# KiCad board AMLDC-2044B p3.kicad_pcb (continued)
## Nets (continued)
R1p3: UR1.3
R1p4: UR1.4 UR1.13 US1.4 US1.13
R1p5: UR1.5 US1.5
R1p6: UR1.6
R1p7: UR1.7
R1p8: UR1.8
R1p9: UR1.9
R1p10: UR1.10
R1p11: UR1.11
R1p14: UR1.14
R1p15: UR1.15
R1p16: UR1.16
R2p1: UR2.1
R2p4: UR2.4
R2p8: UR2.8
R2p9: UR2.9
R2p11: UR2.11
R2p12: UR2.12
R2p13: UR2.13
R2p14: UR2.14
R2p15: UR2.15
R2p16: UR2.16
R3p1: UR3.1
R3p4: UR3.4
R3p9: UR3.9
R3p10: UR3.5 UR3.10 US3.5 US3.10
R3p12: UR3.12
R3p13: UR3.2 UR3.13 US3.2 US3.13
R4p1: UR4.1
R4p2: UR4.2
R4p3: UR4.3
R4p5: UR4.5
R4p6: UR4.6
R4p7: UR4.7
R4p8: UR4.8
R4p9: UR4.9
R4p10: UR4.10
R4p11: UR4.11
R4p13: UR4.4 UR4.13 US4.4 US4.13
R4p14: UR4.14
R4p15: UR4.15
R4p16: UR4.16
R5p1: UR5.1
R5p2: UR5.2
R5p3: UR5.3
R5p4: UR5.4
R5p5: UR5.5
R5p6: UR5.6
R5p7: UR5.7
R5p8: UR5.8
R5p9: UR5.9
R5p10: UR5.10
R5p11: UR5.11
R5p12: UR5.12
R5p13: UR5.13
R5p14: UR5.14
R6p1: UR6.1
R6p2: UR6.2
R6p3: UR6.3
R6p4: UR6.4
R6p5: UR6.5
R6p6: UR6.6
R6p8: UR6.8
R6p9: UR6.9
R6p10: UR6.10
R6p11: UR6.11
R6p12: UR6.12
R6p13: UR6.13
R7p1: UR7.1
R7p2: UR7.2
R7p3: UR7.3
R7p5: UR7.5
R7p8: UR7.8
R7p9: UR7.9
R7p10: UR7.10
R7p11: UR7.11
R7p12: UR7.12
R7p14: UR7.14
R60p1: R60.1 R61.1
R64p1: R63.1 R64.1
R66p1: R62.1 R66.1
R78p1: R78.1
R82p2: R82.2
S0p1: US0.1
S0p3: US0.3 UT0.3 UU0.3 UV0.3 UW0.13
S0p4: US0.4
S0p6: US0.6 UT0.6 UU0.6 UV0.6 UW0.5
S0p8: US0.8 UT0.8 UU0.8 UV0.8 UW0.9
S0p9: US0.9
S0p11: US0.11 UT0.11 UU0.11 UV0.11 UW0.11
S0p12: US0.12
S1p1: US1.1
S1p2: US1.2
S1p3: US1.3
S1p6: US1.6
S1p7: US1.7
S1p8: US1.8
S1p9: US1.9
S1p10: US1.10
S1p11: US1.11
S1p14: US1.14
S1p15: US1.15
S1p16: US1.16
S2p1: US2.1 US2.2
S2p13: US2.13
S3p1: US3.1
S3p3: US3.3 UT3.3 UU3.3 UV3.3 UW3.13
S3p4: US3.4
S3p6: US3.6 UT3.6 UU3.6 UV3.6 UW3.5
S3p8: US3.8 UT3.8 UU3.8 UV3.8 UW3.9
S3p9: US3.9
S3p11: US3.11 UT3.11 UU3.11 UV3.11 UW3.11
S3p12: US3.12
S4p1: US4.1
S4p2: US4.2
S4p3: US4.3
S4p5: US4.5
S4p6: US4.6
S4p7: US4.7
S4p8: US4.8
S4p9: US4.9
S4p10: US4.10
S4p11: US4.11
S4p14: US4.14
S4p15: US4.15
S4p16: US4.16
S6p1: US6.1
S6p2: US6.2
S6p3: US6.3
S6p5: US6.5
S6p6: US6.6
S6p8: US6.8
S6p9: US6.9
S6p10: US6.10
S6p11: US6.11
S6p12: US6.12
S6p13: US6.13
S7p1: US7.1
S7p2: US7.2
S7p3: US7.3
S7p8: US7.8
S7p9: US7.9
S7p10: US7.10
S7p11: US7.11
S7p12: US7.12
S7p14: US7.14
SEL EN: J1.76
SPARE: J1.79 R56.1
STRT: J1.52
T0p1: UT0.1
T0p4: UT0.4
T0p9: UT0.9
T0p10: UT0.5 UT0.10
T0p12: UT0.12
T0p13: UT0.2 UT0.13
T1p3: UT1.3
T1p4: UT1.4
T1p5: UT1.5
T1p6: UT1.6
T1p8: UT1.8
T1p9: UT1.9
T1p10: UT1.10
T1p11: UT1.11
T2p1: UT2.1 UU2.3
T2p2: UT2.2 UU2.11
T2p4: UT2.4 UU2.6
T2p5: UT2.5 UU2.8
T2p6: UT2.6
T2p8: UT2.8
T2p9: UT2.9
T2p10: UT2.10
T2p12: UT2.12
T2p13: UT2.13
T3p1: UT3.1
T3p4: UT3.4
T3p9: UT3.9
T3p10: UT3.5 UT3.10
T3p12: UT3.12
T6p1: UT6.1
T6p2: UT6.2
T6p3: UT6.3
T6p4: UT6.4
T6p5: UT6.5
T6p6: UT6.6
T6p8: UT6.8
T6p9: UT6.9
T6p10: UT6.10
T6p11: UT6.11
T6p12: UT6.12
T6p13: UT6.13
T7p1: UT7.1
T7p2: UT7.2
T7p3: UT7.3
T7p5: UT7.5
T7p8: UT7.8
T7p9: UT7.9
T7p10: UT7.10
T7p11: UT7.11
T7p12: UT7.12
T7p14: UT7.14
TRK0: J1.84
TRK1: J1.86
TRK2: J1.87
TRK3: J1.83
TRK4: J1.89
TRK5: J1.91
TRK6: J1.73
U0p1: UU0.1
U0p2: UU0.2 UU0.13
U0p4: UU0.4
U0p9: UU0.9
U0p10: UU0.5 UU0.10
U1p1: UU1.1
U1p3: UU1.3 UV1.3 UW1.2
U1p4: UU1.4 UV1.4 UW1.7
U1p5: UU1.5
U1p6: UU1.6
U1p8: UU1.8
U1p9: UU1.9
U1p10: UU1.10 UV1.10 UW1.6
U1p11: UU1.11 UV1.11 UW1.3
U1p12: UU1.12
U1p13: UU1.13
U2p1: UU2.1
U2p2: UU2.2 UV2.12
U2p4: UU2.4
U2p5: UU2.5 UV2.10
U2p9: UU2.9 UV2.8
U2p10: UU2.10
U2p12: UU2.12
U2p13: UU2.13 UV2.2
U3p1: UU3.1
U3p4: UU3.4
U3p9: UU3.9
U3p10: UU3.5 UU3.10
U3p12: UU3.12
U3p13: UU3.2 UU3.13
U4p1: UU4.1
U4p2: UU4.2
U4p3: UU4.3 UV4.3 UW4.2
U4p4: UU4.4 UV4.4 UW4.7
U4p5: UU4.5
U4p6: UU4.6
U4p8: UU4.8
U4p9: UU4.9
U4p10: UU4.10 UV4.10 UW4.6
U4p11: UU4.11 UV4.11 UW4.3
U4p12: UU4.12
U4p13: UU4.13 UV4.13
W0p1: UW0.1
W0p2: UW0.2
W0p3: UW0.3
W0p4: UW0.4
W0p6: UW0.6
W0p8: UW0.8
W0p10: UW0.10
W0p12: UW0.12
W1p1: UW1.1
W1p8: UW1.8
W1p9: UW1.9
W1p10: UW1.10
W1p11: UW1.11
W1p13: UW1.4 UW1.13
W1p14: UW1.14
W1p15: UW1.15
W1p16: UW1.16
W2p1: UW2.1
W2p4: UW2.4
W2p6: UW2.6
W2p7: UW2.7
W2p8: UW2.8
W2p9: UW2.3 UW2.9
W2p10: UW2.2 UW2.10
W2p11: UW2.11
W2p13: UW2.13
W2p14: UW2.14
W2p15: UW2.15
W2p16: UW2.16
W3p1: UW3.1
W3p2: UW3.2
W3p3: UW3.3
W3p4: UW3.4
W3p6: UW3.6
W3p8: UW3.8
W3p12: UW3.12
W4p1: UW4.1
W4p8: UW4.8
W4p9: UW4.9
W4p10: UW4.10
W4p11: UW4.11
W4p13: UW4.4 UW4.13
W4p14: UW4.14
W4p15: UW4.15
W4p16: UW4.16
W5p1: UW5.1
W5p2: UW5.2
W5p3: UW5.3
W5p4: UW5.4
W5p5: UW5.5
W5p6: UW5.6
W5p7: UW5.7
W5p8: UW5.8
W5p9: UW5.9
W5p10: UW5.10
W5p11: UW5.11
W5p12: UW5.12
W5p13: UW5.13
W5p14: UW5.14
W5p15: UW5.15
W5p16: UW5.16
W6p1: UW6.1
W6p2: UW6.2
W6p3: UW6.3
W6p4: UW6.4
W6p5: UW6.5
W6p6: UW6.6
W6p8: UW6.8
W6p9: UW6.9
W6p10: UW6.10
W6p11: UW6.11
W6p12: UW6.12
W6p13: UW6.13
WALLOUT: J1.65
WRT: J1.88
~{DATA0}: J2.62
~{DATA1}: J2.65
~{DATA2}: J2.82
~{DATA3}: J2.73
~{DATA4}: J2.61
~{DATA5}: J2.57
~{DATA6}: J2.95
~{DATA7}: J2.55
~{DATA8}: J2.60
~{DATA9}: J2.63
~{DATA10}: J2.75
~{DATA11}: J2.58
~{DATA12}: J2.59
~{DATA13}: J2.64
~{DATA14}: J2.56
~{DATA15}: J2.66
~{DCHA}: J1.60
~{DCHM0}: J2.17
~{DCHM1}: J2.21
~{DCHP IN}: J1.94
~{DCHP OUT}: J1.93
~{DCHR}: J2.35
~{DS0}: J1.72
~{DS1}: J1.68
~{DS2}: J1.66
~{DS3}: J1.46
~{DS4}: J1.62
~{DS5}: J1.64
~{INTP IN}: J1.96
~{INTP OUT}: J1.95
~{INTR}: J2.29
~{MSKO}: J1.38
~{RQENB}: J2.41
~{SELB}: J1.82
~{SELD}: J1.80
/Net-(UG4A-Q): UG4.13

Pads without a net: C1 1 2; C2 1 2; C3 1 2; C4 1 2; C5 1 2; C6 1 2; C7 1 2; C8 2; C9 1 2; C10 1 2; C14 1; C17 1 2; C19 1 2; C20 1 2; C21 1 2; C22 1 2; C23 1 2; C24 1 2; C28 1; C29 1; C32 1; C33 1; C34 1; C35 1; C36 1 2; C37 1 2; C38 1 2; C40 1 2; C44 2; C46 2; C47 1 2; C48 1 2; C49 1 2; C50 1 2; C51 1 2; C52 1 2; C53 1 2; C54 1 2; C57 2; C62 1; C63 1 2; C69 2; C70 2; C71 1; CR2 1 2; CR4 1 2; CR5 1 2; J1 5 7 8 9 11 12 13 14 15 16 17 18 19 20 21 22 23 24 25 26 27 28 29 30 31 32 35 36 37 39 41 43 45 47 49 51 53 55 78 92; J2 5 7 8 9 10 12 14 16 18 20 22 24 26 28 30 31 32 34 40 42 43 44 45 46 47 48 52 54 68 70 71 72 74 76 77 78 79 80 83 85 86 87 88 89 90 91 92 93 94 96; JP1 1; JP4 1; JP5 1; JP7 1 2; JP8 1 2; R1 2; R2 2; R3 1 2; R4 1 2; R5 1 2; R6 1 2; R7 1; R8 1 2; R9 1; R10 1; R11 1 2; R12 1; R14 1 2; R15 2; R18 1; R20 2; R21 1; R22 1 2; R23 2; R24 1 2; R25 1; R26 1 2; R27 1; R28 1 2; R30 1; R31 1 2; R32 1; R33 2; R34 2; R37 1; R38 1; R39 1 2; R40 1 2; R41 1 2; R42 1 2; R43 1 2; R44 1 2; R45 1 2; R46 1 2; R47 2; R48 1 2; R50 2; R54 2; R55 1; R57 1 2; R58 1 2; R59 1 2; R61 2; R62 2; R63 2; R65 1; R67 2; R68 2; R69 1 2; R72 1; R73 2; R74 1 2; R75 1 2; R76 1 2; R78 2; R79 1 2; R80 1 2; R81 1 2; R83 1 2; R84 1 2; R85 1; R86 1 2; R87 1; R88 1; R89 1 2; R90 1 2; R92 1; R94 1; UB5 7 14; UB6 7 9 10 14; UB7 7 14; UB8 4 6 7 13; UC0 14; UC5 7 14; UC6 7 14; UC7 7 14; UC8 7 14; UD5 8 16; UD6 7 14; UD7 7 14; UD8 7 13 14; UE3 4; UE5 5 7 14; UE6 7 14; UE7 3 11; UE8 7 14; UF0 14; UF5 7 14; UF6 7 14; UF7 7 14; UF8 3 7 11 14; UG0 9 10 13; UG4 1 3 11; UG5 7 13 14; UG6 7 14; UG7 7 14; UG8 7 11 12 13 14; UH5 7 14; UH6 7 14; UH7 7 14; UJ0 11 12; UJ6 7 14; UJ7 8 16; UK5 7 14; UK6 8 16; UK7 7 14; UK8 7 14; UL2 6; UL5 8 16; UL6 7 14; UL7 7 14; UM5 7 14; UM6 7 14; UM7 7 14; UM8 5 7 13; UN3 3; UN6 7 14; UN7 3 7 11 14; UP0 9; UP2 7; UP4 1 3 4 7 9 12 13; UP5 3 7 11 14; UP6 7 14; UP7 4 6 7 13; UR6 7 14; UR7 4 6 7 13; US2 3 4 5 6 8 9 10 11 12; US6 4 7 14; US7 4 5 6 7 13; UT2 3 11; UT6 7 14; UT7 4 6 7 13; UU0 12; UU1 2; UV2 11; UV4 8; UV6 2 7 14; UV7 7 14; UW3 10; UW6 7 14; Y1 1 2 3

## Via types
v1: diameter 0.6, hole 0.3, Top to Bottom, 734 vias
v2: diameter 0.8, hole 0.4, Top to Bottom, 22 vias
v3: diameter 0.8, hole 0.3, Top to Bottom, 1 via

## Routing (per net, layer and track width the routed paths; a pad name or vN(x,y) marks a point on that pad's centre or on a via; arc(x,y) is an arc through that point)
+5V: length 4303.4
  Top w0.15: J2.3 81.19,152.01 v2(81.38,151.99) 81.67,152 82.27,152.42 83.4,152.95 83.92,153.47 v1(83.72,183) 83.92,183
  Top w0.25: 379.78,247.16 v1(379.75,247.05) 378.13,247.16 377.77,246.8 377.68,246.89 ; 226.35,47.73 226.35,42.69 ; 226.35,47.73 R66.2 ; 226.35,47.73 226.5,47.57 226.5,49.94 226.76,50.2 ; 226.35,42.69 226.22,42.56 R65.2 ; 226.35,42.69 226.37,42.66 C32.2 ; 342.93,103.51 340.88,103.51 340.13,104.26 ; 226.59,25.54 226.59,14.86 ; 226.59,25.54 226.82,25.78 UV3.14 ; 226.59,25.54 226.37,25.76 C32.2 ; 226.59,14.86 226.69,14.75 R82.1 ; 226.59,14.86 226.59,7.81 ; 426.92,344.81 425.71,343.25 424.96,342.32 424.48,341.87 422.78,341.37 415.32,341.37 414.74,341.95 ; 414.09,281.29 414,281.38 414.11,281.49 414.11,300.6 ; 414.09,281.29 414.09,264.57 ; 414.09,281.29 416.33,281.29 ; 340.93,319.77 341.04,319.89 343.28,319.89 ; 340.93,319.77 340.68,320.02 340.68,324.69 340.68,331.21 341.09,331.61 ; 340.93,319.77 340.93,301.15 ; 341.3,187.84 341.44,187.69 v1(342.19,187.73) 342.23,187.69 342.31,187.77 ; 341.3,187.84 341.2,187.75 341.2,180.75 ; 341.3,187.84 341.3,214.47 ; 226.94,-11.94 200.41,-11.94 198.79,-10.32 ; 226.94,-11.94 226.59,-11.59 226.59,7.81 ; 226.94,-11.94 227.78,-11.11 261.58,-11.11 ; UH3.14 227.09,250.11 226.82,250.39 ; 413.94,187.66 413.91,187.64 ; 413.94,187.66 414.43,187.16 414.43,169.64 413.37,168.57 413.37,153.86 ; 413.94,187.66 413.94,189.9 v1(413.87,189.96) 413.94,190.03 413.94,199.89 ; 296.34,336.19 298.78,336.19 ; 296.34,336.19 296.08,336.45 296.08,352.81 ; 296.34,336.19 296.65,335.88 296.65,319.86 296.75,319.96 ; 226.76,53.01 226.76,50.2 ; 226.76,53.01 R60.2 ; 226.76,53.01 226.81,52.96 226.81,69.43 ; 226.76,50.2 226.76,49.84 227,50.08 UU3.14 ; 144.4,40.63 144.4,46.11 143.6,46.91 143.6,50.02 ; 144.4,40.63 145.89,39.14 C34.2 ; 144.4,40.63 144.4,35.83 145.62,34.61 145.62,26.26 ; 414.74,341.95 414.74,335.82 414.81,335.89 ; 414.74,341.95 414.74,361.33 414.13,361.94 378.05,361.94 ; 146.42,136.57 146.42,122.61 146.49,122.54 ; 146.42,136.57 146.42,164.8 146.49,164.87 ; 146.42,136.57 156.52,136.57 157.38,138.42 UN1.5 ; 296.39,164.99 296.39,181.17 296.14,181.42 ; 296.39,164.99 296.39,147.95 ; 296.39,164.99 296.54,164.84 298.53,164.84 ; UW3.14 227.39,8 226.9,7.5 226.59,7.81 ; 259.2,293.69 259.2,282.37 258.91,282.09 258.98,282.02 ; 259.2,293.69 259.2,292.84 259.21,292.83 v1(257.8,292.83) 257.8,292.86 ; 259.2,293.69 259.2,301.11 ; 296.39,147.95 296.58,148.14 298.78,148.14 ; 296.39,147.95 296.39,122.96 ; 296.39,104.94 296.39,70.92 296.37,70.9 ; 296.39,104.94 298.43,104.94 ; 296.39,104.94 296.39,122.96 ; UB3.14 227.25,353.84 227.23,353.82 ; 112.29,164.82 112.14,167.41 110.98,169.8 107.59,174.52 107.59,182.15 ; 112.29,164.82 UM0.14 ; 112.29,164.82 111.72,164.25 110.86,160.38 108.95,156.06 108.32,151.56 108.29,149.02 108,148.25 ; 106.36,359.47 108.18,361.29 140.08,361.29 ; 106.36,359.47 105.4,358.51 R37.2 ; 106.36,359.47 105.38,358.49 ; 378.17,300.74 380.08,300.74 ; 378.17,300.74 378.17,285.67 ; 378.17,300.74 378.24,300.82 378.24,319.79 ; 341.09,331.61 338.72,331.61 338.6,331.49 v1(338.6,331.33) 338.44,331.33 338.52,331.41 ; 341.09,331.61 341.24,331.77 341.24,336.03 ; 185.96,329.44 185.07,328.37 R50.1 ; 341.2,122.6 341.36,122.44 341.48,122.56 342.88,122.56 ; 341.2,122.6 341.2,147.77 ; 341.2,122.6 340.1,122.6 340.02,122.68 340.02,109.03 340.13,108.92 ; UP0.14 108.19,122.95 107.88,122.64 107.88,122.96 ; 378.18,352.64 v1(378.18,357.95) 378.18,360.67 378.75,361.24 378.05,361.94 ; 378.18,352.64 378.18,336.33 ; 378.18,352.64 378.3,352.51 378.33,352.54 380.48,352.54 ; 377.09,147.82 377.09,163.47 376.14,164.41 ; 377.09,147.82 377.27,147.64 377.27,109.33 v1(377.22,109.28) 377.27,109.23 v1(377.27,92.77) 377.27,88.53 377.22,87.52 377.31,85.84 v1(377.13,74.66) 377.04,71.24 ; 377.09,147.82 377.2,147.94 379.33,147.94 ; UL2.14 187.16,181.42 186.62,181.96 ; 376.14,164.41 379.33,164.41 ; 376.14,164.41 376.67,164.94 376.67,181.07 ; UD1.14 146.08,322.81 145.85,322.58 ; 143.97,314.07 v1(144.02,314.02) 144.07,313.97 145.85,313.97 ; 413.37,153.86 413.96,153.27 422.18,153.27 422.42,153.51 424.67,155.27 426.01,156.94 ; 413.37,153.86 412.95,153.45 412.95,137.59 410.82,135.47 410.49,134.73 409.92,133.68 409.92,122.55 409.9,121.58 409.92,121.03 410.63,120.16 411.33,119.5 412.91,118.39 412.91,114.97 412.83,114.89 412.83,70.81 412.82,70.8 ; 259.04,342.14 259.04,336.87 ; 259.04,342.14 v1(259.06,342.16) 259.04,353.9 ; 259.04,342.14 258.47,341.57 257.8,341.57 256.37,342.99 ; 259.04,336.87 261.28,336.87 UC4.14 ; 259.04,336.87 259.04,334.33 ; UL1.14 146.53,181.33 146.49,181.29 ; 186.31,355.96 186.17,356.1 186.17,362 185.9,362.27 ; 186.31,355.96 186.38,356.03 UB2.14 ; 186.31,355.96 186.31,338.06 ; 226.05,89.04 226.78,88.31 US3.14 ; 226.05,89.04 226.05,87.18 226.81,86.42 226.81,69.43 ; 226.05,89.04 226.05,104.57 ; 185.87,321.59 UD2.14 ; 185.87,321.59 185.83,321.54 185.8,321.57 R12.2 185.96,324.85 R13.1 185.96,337.71 186.31,338.06 ; 185.87,321.59 185.87,303.73 186,303.61 ; 296.05,362.05 296.05,358.52 v1(296.08,358.49) 296.05,358.46 296.05,354.35 296.08,352.81 ; 296.05,362.05 340.87,362.05 ; 296.05,362.05 283.86,362.05 ; 110.29,193.83 111.61,193.75 118.23,193.4 118.52,193.69 C65.1 ; 110.29,193.83 110.29,195.82 110.69,196.93 111.76,198.52 112.68,200.19 112.96,212.11 ; 110.29,193.83 107.24,184.47 107.59,182.15 ; 341.24,336.03 341.36,336.14 343.33,336.14 ; 341.24,336.03 341.13,336.15 341.13,353.31 ; 145.94,250.46 145.94,230.93 ; 145.94,250.46 146.13,250.27 UH1.14 ; 145.94,250.46 145.85,250.54 145.85,255.69 ; 145.94,230.93 146.06,230.8 146.06,214.42 146.3,214.66 ; 145.94,230.93 145.99,230.88 146.13,231.01 UJ1.14 ; 259.36,60.26 259.36,50.2 259.19,50.02 259.24,49.98 ; 259.36,60.26 259.36,73.76 258.68,74.44 ; 259.36,60.26 259.5,60.13 259.79,60.42 C18.2 ; 102.36,-4.53 102.36,-9.88 101.63,-10.6 102.41,-11.38 145.48,-11.38 ; 102.36,-4.53 107.17,-4.53 ; 102.36,-4.53 101.88,-4.53 97.12,0.23 91.27,0.9 v1(91.02,1.11) 88.84,1.96 85.84,2.1 84.78,2.49 82.25,2.52 80.8,2.56 J2.97 ; 340.93,301.15 341.29,300.79 343.28,300.79 ; 340.93,301.15 340.93,295.51 341.17,295.28 341.17,281.63 ; 259.04,265.75 258.98,265.81 258.98,282.02 ; 259.04,265.75 261.33,265.75 UG4.16 ; 259.04,265.75 259.04,254.45 ; 145.85,284.92 145.85,268.39 ; 145.85,284.92 145.85,303.63 ; 145.85,284.92 146.38,284.39 146.55,284.56 UF1.14 ; 145.85,268.39 145.85,255.69 ; 145.85,268.39 146.25,268 UG1.14 ; 140.08,361.29 140.11,361.26 145.5,361.26 ; 140.08,361.29 140.93,360.44 140.93,338.59 143.38,335.94 144.48,335.79 145.98,336.24 145.98,336.49 ; 107.17,-4.53 107.17,7.11 108.19,8.13 ; 107.17,-4.53 107.17,-6.82 v1(105.91,-7.91) 106.03,-7.96 ; 383.83,285.44 378.51,285.44 378.45,285.38 378.17,285.67 ; 107.28,268.54 107.67,268.15 107.67,266.24 ; 107.28,268.54 R93.1 R93.2 ; 107.28,268.54 107.77,268.05 UG0.14 ; 107.67,250.65 108.36,249.95 UH0.14 ; 107.67,250.65 107.4,250.47 R54.1 ; 107.67,250.65 107.74,237.74 ; 107.67,250.65 107.67,266.24 ; 295.92,265.52 296.33,265.11 298.83,265.11 ; 295.92,265.52 295.92,279.26 296.75,280.09 296.75,281.81 ; 295.92,265.52 296.15,265.29 296.15,255.39 296.15,247.76 ; 414.81,335.89 414.94,335.76 414.94,319.82 ; 414.81,335.89 416.68,335.89 ; 259.04,321.63 259.04,300.95 259.2,301.11 ; 259.04,321.63 259.04,334.33 ; 259.04,321.63 259.04,320.34 259.18,320.21 UD4.14 ; 145.85,255.69 146.03,255.51 v1(148,255.59) 148.06,255.51 148.17,255.61 ; 296.75,319.96 296.75,310.18 ; 296.75,319.96 298.66,319.96 ; 296.75,310.18 294.76,310.22 293.73,309.29 ; 296.75,310.18 296.75,300.95 ; 378.17,285.67 377.68,285.18 377.68,264.36 ; 341.17,265.17 341.32,265.02 341.42,265.11 343.19,265.11 ; 341.17,265.17 341.17,247.62 341.13,247.58 341.3,247.41 ; 341.17,265.17 341.17,281.63 ; UM1.14 146.64,165.02 146.49,164.87 ; 296.75,281.81 296.92,281.64 297.07,281.79 298.83,281.79 ; 296.75,281.81 296.75,300.95 ; 226.25,196.92 226.25,219.76 v1(226.41,219.91) 226.25,220.07 226.25,231.02 226.23,231.04 ; 226.25,196.92 229.93,196.89 230.28,197.24 C68.2 ; 226.25,196.92 226.25,181.79 ; 259.04,247.97 259.04,237.81 ; 259.04,247.97 259.04,254.45 ; 259.04,247.97 259.04,247.73 259.24,247.53 259.32,247.61 UH4.16 ; 259.04,237.81 259.04,202.25 ; 259.04,237.81 259.04,236.86 258.72,236.54 R47.1 ; 186,292.88 186,292.67 186.35,292.33 191.04,292.33 190.93,292.43 v1(191.21,292.43) 191.21,292.16 ; 186,292.88 186,290.81 v1(186.1,290.71) 186,290.61 186,284.6 186.04,284.57 186.16,284.7 ; 186,292.88 186,303.61 ; UC2.16 186.38,338 186.31,338.06 ; 259.04,353.9 259.71,353.24 UB4.16 ; 259.04,353.9 259.04,362.27 ; 340.87,362.05 341.13,361.79 341.13,358.12 ; 340.87,362.05 363.07,362.05 363.18,361.94 ; 226.23,231.04 226.12,230.93 226.12,249.69 226.82,250.39 ; 226.23,231.04 UJ3.14 ; 186.16,284.7 UF2.14 ; 186.16,284.7 186.28,284.59 186.28,268.05 186.42,268.19 ; v2(118.98,329.44) 118.43,328.89 108.18,328.89 108.18,329.04 ; 377.95,230.28 378.38,230.71 379.78,230.71 ; 377.95,230.28 377.95,214.78 ; 377.95,230.28 377.95,246.61 377.68,246.89 ; 414.09,264.57 414.2,264.46 414.48,264.74 416.23,264.74 ; 414.09,264.57 413.94,264.42 413.94,214.95 ; 107.88,323.04 108.13,322.8 UD0.14 ; 107.88,323.04 107.88,328.74 108.18,329.04 ; 107.88,323.04 107.88,305.34 ; 198.79,-10.32 198.73,-6.03 198.65,-0.66 UW2.5 ; 198.79,-10.32 198.79,-10.74 186.03,-10.74 ; 258.68,123.51 C55.1 259.04,132.7 259.04,166.69 ; 258.68,123.51 258.68,123.24 258.68,123.24 259.13,122.8 UP4.16 ; 258.68,123.51 258.68,93.96 ; 226.81,69.43 227.07,69.17 UT3.14 ; 102.98,358.34 104.61,358.34 R37.2 ; 102.98,358.34 R18.2 100.13,356.51 99.95,356.33 ; 102.98,358.34 105.23,358.34 105.38,358.49 ; 261.72,-8.29 261.79,-8.22 v1(261.79,-8.29) 261.72,-8.29 ; 261.72,-8.29 261.66,-8.36 261.58,-8.36 ; UM2.16 186.88,164.77 186.59,165.06 ; 298.73,122.89 296.38,122.89 296.35,122.92 296.39,122.96 ; 296.14,181.42 296.14,198.91 296.22,198.99 ; 296.14,181.42 296.26,181.54 298.6,181.54 ; 296.22,198.99 296.37,198.85 296.43,198.91 298.48,198.91 ; 296.22,198.99 296.22,234.62 ; 143.6,50.02 144.03,50.45 UU1.14 ; 143.6,50.02 143.28,50.34 143.28,69.46 ; 414.94,305.95 414.11,305.11 414.11,304.46 v1(414.13,304.43) 414.11,304.41 414.11,300.6 ; 414.94,305.95 415.1,305.79 421.58,305.79 ; 414.94,305.95 414.94,319.82 ; 146.3,214.66 UK1.14 ; 146.3,214.66 146.3,193.91 ; J1.97 81.21,191.91 v2(81.23,191.89) ; J1.3 87.78,341.69 99.95,356.33 ; US0.14 108.13,88.41 107.99,88.55 108.07,88.63 ; 342.93,148.09 341.68,148.09 341.28,147.69 341.2,147.77 ; 258.98,282.02 UF4.14 ; 186.42,214.66 186.62,214.45 186.62,193.38 ; 186.42,214.66 186.72,214.35 186.77,214.39 UK2.14 ; 186.42,214.66 186.42,230.83 ; 340.13,104.26 340.13,88.6 340.57,88.16 340.71,88.29 342.88,88.29 ; 340.13,104.26 340.13,108.92 ; 377.95,202.67 376.67,201.39 376.67,189.69 ; 377.95,202.67 377.95,214.78 ; 377.95,202.67 379.33,201.29 ; 226.74,303.66 226.74,287.49 226.55,287.3 226.62,287.24 ; 226.74,303.66 UE3.14 ; 226.74,303.66 226.72,303.64 226.55,303.81 226.55,323.39 ; 226.62,287.24 C26.1 ; 226.62,287.24 226.62,284.7 ; 226.55,339.22 226.34,339.44 R27.2 ; 226.55,339.22 226.45,339.32 226.45,353.8 ; 226.55,339.22 226.55,323.39 ; 226.55,339.22 226.74,339.41 UC3.14 ; 145.98,336.49 145.98,339.24 ; 145.98,336.49 145.98,332.09 ; 186.22,50.07 186.03,49.88 186.03,36.15 ; 186.22,50.07 186.35,50.2 UU2.14 ; 186.22,50.07 186.22,69.8 ; 107.59,182.15 108.32,181.42 UL0.14 ; 186.62,193.38 191.88,193.48 192.08,193.68 C67.1 ; 186.62,193.38 186.62,181.96 ; 186.42,268.19 186.42,250.15 ; 186.42,268.19 UG2.14 ; 186.42,250.15 186.42,230.83 ; 186.42,250.15 186.55,250.01 186.7,250.15 UH2.14 ; UV1.14 145.71,26.36 145.62,26.26 ; 259.04,254.45 258.81,254.22 258.61,254.42 R68.1 ; 341.3,247.41 343.18,247.41 ; 341.3,247.41 341.3,230.72 ; 226.55,323.39 227.24,322.71 UD3.16 ; 258.68,74.44 258.99,74.13 268.94,74.13 270.66,77.44 271.44,80.74 ; 258.68,74.44 258.68,93.96 ; 261.58,-11.11 261.58,-8.36 ; 261.58,-11.11 271.64,-11.11 272,-10.76 271.87,-10.63 271.87,0.12 ; 145.85,322.58 145.85,313.97 ; 145.85,322.58 145.85,331.96 145.98,332.09 ; 145.85,313.97 145.85,303.63 ; 107.88,122.96 107.88,148.13 108,148.25 ; 107.88,122.96 107.88,105.38 ; UV2.14 186.48,26.36 186.03,26.8 ; UL3.14 226.61,181.43 226.25,181.79 ; C70.1 226.31,130.84 226.02,131.13 ; 185.9,362.27 217.61,362.27 ; 185.9,362.27 146.5,362.27 145.5,361.26 ; 217.61,362.27 220.53,362.27 ; 217.61,362.27 217.83,362.05 R30.2 ; R64.2 223.57,37.77 C32.2 ; 414.94,319.82 415.17,319.59 416.63,319.59 ; 259.24,49.98 UU4.14 ; 259.24,49.98 259.24,25.9 ; 377.95,214.78 378.87,213.86 379.68,213.86 ; 146.49,164.87 146.49,181.29 ; 259.24,25.9 259.5,25.64 259.57,25.72 UV4.14 ; 259.24,25.9 259.36,25.78 v1(259.36,13.52) 259.36,-8.36 261.58,-8.36 ; 341.2,180.75 341.2,164.46 ; 341.2,180.75 341.55,181.09 342.98,181.09 ; 379.98,264.86 378.18,264.86 377.68,264.36 ; 146.49,122.54 146.81,122.86 UP1.14 ; 146.49,122.54 145.96,119.81 145.85,118.61 145.31,112.22 144.24,110.58 143.46,107.44 142.85,105.9 142.53,105.3 142.31,104.55 142.2,95.57 142.21,93.03 ; 146.49,181.29 146.3,181.49 146.3,193.91 ; 296.22,234.62 296.22,247.68 296.15,247.76 ; 296.22,234.62 297.08,234.62 v1(297.2,234.74) 297.26,234.8 ; 108.07,92.58 108.07,88.63 ; 108.07,92.58 107.88,92.77 107.88,105.38 ; 108.07,92.58 108.1,92.61 110.52,92.61 v1(110.6,92.68) 110.67,92.61 110.8,92.61 ; 108.07,88.63 108.07,82.47 ; 186.48,94.29 186.48,88.64 ; 186.48,94.29 197.21,94.29 198.18,96.15 UR2.5 ; 186.48,94.29 186.3,94.47 R85.2 186.3,130.86 v1(186.12,131.04) 186.3,131.22 186.3,164.78 186.59,165.06 ; 186.48,88.64 186.69,88.43 186.82,88.56 US2.14 ; 186.48,88.64 186.48,73.88 186.53,73.83 186.22,73.53 186.22,69.8 ; 259.04,189.55 259.04,188.65 259.07,188.61 259.41,188.95 UL4.14 ; 259.04,189.55 259.04,202.25 ; 259.04,189.55 259.04,166.69 ; R37.2 108.18,355.11 108.18,329.04 ; 259.04,202.25 v1(260.38,202.37) 260.44,202.25 260.45,202.24 ; 341.2,147.77 341.2,164.46 ; C39.2 263.11,93.72 263.03,93.64 ; 107.88,305.34 108.66,304.57 108.98,304.57 UE0.14 ; 107.88,305.34 107.28,304.74 R93.2 ; 107.88,305.34 112.34,305.34 113.6,304.07 113.6,303.23 115.09,301.74 ; UW0.14 108.64,8.58 108.19,8.13 ; 378.05,361.94 369.26,361.94 ; 341.2,164.46 341.29,164.54 342.98,164.54 ; UV0.14 108.33,26.42 107.91,26 ; 377.68,264.36 377.68,246.89 ; 186.03,36.15 186.5,36.61 C33.2 ; 186.03,36.15 186.03,26.8 ; 107.91,50.65 107.93,50.63 UU0.14 ; 107.91,50.65 107.91,69.44 108.07,69.6 ; 107.91,50.65 107.91,38.24 ; 341.13,358.12 341.27,358.27 342.16,358.27 ; 341.13,358.12 341.13,356.58 ; 259.04,334.33 259.04,333.18 258.85,332.99 258.15,333.7 R88.2 255.31,331.48 254.09,329.06 ; 341.13,356.58 340.13,355.59 334.48,355.59 ; 341.13,356.58 341.13,353.31 ; 143.28,69.46 143.24,69.42 143.24,73.16 142.21,74.19 142.21,93.03 ; 143.28,69.46 UT1.14 ; UM4.14 259.46,164.86 259.3,164.71 259.04,164.97 259.04,166.69 ; 222.78,362.27 226.02,362.27 ; 222.78,362.27 222.96,362.09 222.96,356.67 v1(223.04,356.6) 222.96,356.52 222.96,356.4 223.03,356.33 ; 222.78,362.27 220.53,362.27 ; 226.02,362.27 259.04,362.27 ; 226.02,362.27 226.49,362.27 226.56,362.2 226.56,357.41 226.62,357.46 v1(226.62,357.33) 226.49,357.33 226.38,357.23 226.45,357.15 226.45,353.8 ; 105.38,358.49 104.88,358.49 104.63,358.24 ; 145.5,361.26 145.5,355.52 145.91,355.93 UB1.14 ; 107.67,266.24 103.38,266.24 R73.1 ; 340.13,108.92 341.68,108.92 ; 226.17,122.96 UP3.14 ; 226.17,122.96 226.02,122.82 226.02,131.13 ; 226.17,122.96 226.05,122.85 226.05,104.57 ; 283.86,362.05 284.19,358.96 R87.2 ; 283.86,362.05 259.04,362.27 ; 220.53,362.27 R29.2 ; 226.78,284.7 226.79,284.69 UF3.16 ; 226.78,284.7 226.62,284.7 ; 226.78,284.7 229.09,284.7 ; 363.66,359.52 363.66,361.46 363.18,361.94 ; 369.26,361.94 370.03,361.17 370.03,356.92 ; 369.26,361.94 363.18,361.94 ; 259.2,301.11 UE4.14 ; 414.11,300.6 414.29,300.42 414.4,300.54 416.78,300.54 ; 107.74,231.17 107.67,231.1 107.67,231.11 107.67,237.44 ; 107.74,231.17 107.74,220.58 112.96,215.37 112.96,212.11 ; 107.74,231.17 UJ0.14 ; 112.96,212.11 113.15,211.91 UK0.14 ; R93.2 R32.2 ; 296.75,300.95 298.63,301.04 ; 258.68,93.96 259.01,93.64 263.03,93.64 ; 226.82,250.39 226.82,268 ; 378.18,336.33 378.37,336.14 380.38,336.14 ; 378.18,336.33 378.09,336.24 378.09,319.64 378.24,319.79 ; 413.94,199.89 413.94,202.72 v1(413.96,202.74) 413.94,202.76 413.94,214.95 ; 413.94,199.89 413.83,199.78 ; 378.23,190.24 v1(378.23,190.19) 378.18,190.19 377.68,189.69 376.67,189.69 ; 108.81,237.7 v1(109.18,237.81) 107.74,237.74 ; 376.67,189.69 376.67,181.07 ; 108.19,8.13 108.19,25.72 107.91,26 ; 186.03,26.8 186.03,-10.74 ; 186.03,-10.74 185.8,-10.98 158.18,-10.98 157.9,-10.7 ; 227.23,353.82 228.73,353.85 ; 227.23,353.82 226.45,353.8 ; 107.67,237.44 107.74,237.74 ; 107.67,237.44 107.59,237.37 R55.2 ; 186.22,69.8 186.66,69.36 UT2.14 ; 146.3,193.91 146.99,193.22 151.33,193.29 151.53,193.49 C66.2 ; 296.15,247.76 296.42,247.49 298.78,247.49 ; 186.59,165.06 186.62,165.1 186.62,181.96 ; 145.62,26.26 145.62,-11.24 145.48,-11.38 ; 226.02,131.13 226.02,147.8 226.43,148.21 ; 376.67,181.07 376.99,180.75 377.28,181.04 379.38,181.04 ; 226.82,268 UG3.14 ; 226.82,268 226.55,268.26 226.55,284.63 226.62,284.7 ; 186,303.61 186.2,303.81 UE2.14 ; UJ2.14 186.97,231.11 186.55,230.7 186.42,230.83 ; 108,148.25 UN0.14 ; 341.13,353.31 341.64,352.79 343.53,352.79 ; UC1.14 146,339.26 145.98,339.24 ; 107.88,105.38 107.88,105.16 108.04,105 108.12,105.08 UR0.14 ; 107.91,38.24 108.02,38.13 108.42,38.53 C35.2 ; 107.91,38.24 107.91,26 ; 263.03,93.64 264.84,93.64 ; 226.32,164.86 226.29,164.82 226.29,148.35 226.43,148.21 ; 226.32,164.86 UM3.14 ; 226.32,164.86 226.25,164.79 226.25,181.79 ; UW1.5 158.06,-6.99 157.9,-10.7 ; C46.1 145.98,343.29 145.98,339.24 ; UR3.14 226.5,105.02 226.05,104.57 ; 341.3,230.72 341.4,230.62 341.58,230.79 343.18,230.79 ; 341.3,230.72 341.3,214.47 ; 298.98,352.79 297.32,352.79 296.08,352.81 ; 341.17,281.63 341.23,281.69 343.28,281.69 ; 416.08,213.96 413.98,213.96 413.94,214 413.94,214.95 ; 145.48,-11.38 157.89,-10.82 157.9,-10.7 ; 378.24,319.79 380.18,319.79 ; 145.98,332.09 145.68,331.79 ; 226.43,148.21 UN3.14 ; 341.3,214.47 341.5,214.26 343.13,214.26 ; 142.21,93.03 143.12,93.03 143.25,92.9 v1(143.43,92.9) 143.43,92.72 143.46,92.7 ; 145.85,303.63 146.03,303.45 146.29,303.71 UE1.14 ; 108.07,69.6 108.09,69.58 108.3,69.79 UT0.14 ; 108.07,69.6 108.07,82.47 ; 108.07,82.47 108.16,82.38 ; 99.95,356.33 100.08,356.49
GND: length 3922.6
  Top w0.15: 278.58,157.24 UM4.7 ; 278.58,157.24 278.59,157.23 278.85,157.48 278.85,180.96 ; 278.58,157.24 281.19,154.63 281.19,144.95 ; UE1.7 165.53,296.09 165.61,296 165.68,296.07 ; 208.53,358.92 208.53,348.2 ; 208.53,358.92 208.53,360.1 v1(208.58,360.15) 208.53,360.2 208.53,360.32 ; 208.53,358.92 208.51,358.89 C30.2 ; 208.53,348.2 208.53,341.48 ; 208.53,348.2 208.5,348.16 208.25,348.41 UB2.7 ; 433.62,305.83 433.62,302 433.67,301.94 433.67,293.14 ; 433.62,305.83 433.62,312 ; 433.62,305.83 433.66,305.79 427.93,305.79 ; 281.9,115.89 279.67,115.89 UP4.8 ; 281.9,115.89 281.9,110.81 ; 281.9,115.89 281.9,133.67 ; 397.26,197.78 397.03,198.01 397.03,206.24 ; 397.26,197.78 395.69,197.78 v1(395.6,197.86) 395.51,197.78 395.48,197.78 395.43,197.84 ; 397.26,197.78 397.26,186.67 396.88,186.29 v1(396.82,186.29) 396.82,186.23 396.74,186.14 396.74,173.23 ; 205.96,293.03 205.96,277.06 ; 205.96,293.03 202.8,292.63 198.85,292.54 v1(197.63,292.69) 197.52,292.63 ; 205.96,293.03 205.96,295.8 ; 205.96,277.06 205.96,260.67 206.06,260.57 ; 205.96,277.06 205.93,277.03 205.87,277.08 UF2.7 ; 165.88,189.03 165.88,173.96 166.13,173.71 ; 165.88,189.03 165.93,189.07 165.93,207.25 ; 165.88,189.03 163,189.3 160.13,189.3 159.83,189 C66.1 ; 316.5,239.7 316.4,239.6 316.13,239.87 314.02,239.87 ; 316.5,239.7 316.5,252.89 ; 316.5,239.7 316.5,191.85 315.94,191.29 ; UF1.7 165.66,276.94 165.95,276.64 165.95,276.77 ; 247.93,277.19 246.87,277.19 UF3.8 ; 247.93,277.19 246.65,277.23 246.61,277.18 ; 247.93,277.19 248.59,277.18 249,276.77 ; 358.12,114.94 359.79,114.94 360.1,114.64 360.29,114.83 ; 165.95,255.87 165.95,242.59 165.93,242.56 ; 165.95,255.87 165.95,255.75 165.44,255.24 165.09,255.59 C62.2 154.9,255.59 ; 165.95,255.87 165.95,260.21 ; UH4.9 281.34,247.61 282.03,246.92 ; 315.94,191.29 315.94,189.14 318.42,186.66 318.42,173.43 ; 315.94,191.29 313.72,191.29 ; 281.37,345.81 280.95,345.4 280.74,345.62 UB4.8 ; 281.37,345.81 281.37,353.57 ; 281.37,345.81 281.37,341.24 280.9,340.27 280.11,337.67 279.52,334.18 279.36,333.2 279.26,333.07 279.11,332.07 279.11,329.4 278.71,329.01 ; UD4.7 276.91,312.63 279.28,312.63 ; 422.36,79.44 422.54,79.44 v1(422.63,79.54) 422.72,79.44 423.95,79.44 428,83.49 428,85.49 ; 395.42,312.17 396.64,312.17 397.14,311.67 397.55,312.07 ; C67.2 200.48,189.19 200.53,189.14 206.09,189.14 ; US1.12 158.76,89.79 159.28,90.72 159.9,91.37 160.65,91.88 162.57,92.49 163.31,92.73 164.05,92.73 v1(164.09,92.77) 164.13,92.73 167.98,92.73 168.53,93.27 ; UN3.7 244.8,141.29 246.34,141.29 ; 246.6,-8.33 v1(246.56,-8.29) 246.34,-8.07 246.34,1.59 ; 281.9,258.13 281.9,267.22 281.34,267.78 ; 281.9,258.13 283.82,258.13 284.19,257.76 284.19,254.06 282.06,251.93 282.06,246.95 282.03,246.92 ; 281.9,258.13 279.51,258.13 UG4.8 ; 363.13,214.95 363.13,206.61 ; 363.13,214.95 363.13,214.51 362.89,214.26 360.91,214.26 ; 363.13,214.95 363.13,218.85 360.77,221.22 360.77,223.17 360.78,223.17 ; 363.13,206.61 362.91,206.39 362.66,206.64 360.91,206.64 ; 363.13,206.61 363.13,202.71 363.26,202.59 362.53,201.85 362.53,199.87 360.13,197.47 360.13,186.32 ; 360.29,114.83 360.29,108.27 ; 360.29,114.83 360.29,140.27 ; 360.29,108.27 359.53,109.03 359.01,109.03 358.9,108.92 348.03,108.92 347.37,110.47 346.76,111.75 346.31,112.65 345.94,113.42 345.42,114.36 345.42,114.94 ; 360.29,108.27 360.29,92.84 ; 396.74,109.37 396.74,92.06 ; 396.74,109.37 396.59,109.22 396.55,109.27 390.16,109.27 389.44,105.41 389.39,103.46 ; 396.74,109.37 396.74,120.04 ; 396.74,92.06 396.74,74.26 ; 396.74,92.06 396.04,91.36 390.63,91.36 389.58,89.88 389.19,88.14 ; UV1.7 164.71,18.74 165.89,17.56 ; 360.78,312.16 360.93,312.31 360.93,325.37 ; 360.78,312.16 360.67,312.27 358.52,312.27 ; 360.78,312.16 360.78,292.63 ; UB3.7 244.76,346.89 249.23,346.89 ; 314.07,274.17 315.98,274.17 316.43,273.71 316.5,273.78 ; 168.53,93.27 168.84,92.96 168.84,78.79 166.15,76.1 166.15,62.11 ; 168.53,93.27 168.53,107.49 166.07,109.94 ; 397.49,239.98 396.71,239.19 396.36,239.54 395.04,239.54 v1(394.81,239.55) 395.01,239.54 395.02,239.54 ; 397.49,239.98 397.49,256.88 ; 397.49,239.98 397.49,234.92 397.46,234.89 399.47,232.88 399.47,222.7 ; 360.03,156.92 360.51,156.44 360.51,140.49 360.29,140.27 ; 360.03,156.92 360.13,156.82 360.13,173.57 ; 360.03,156.92 358.22,156.92 ; 316.16,96.27 315.87,95.98 315.87,70.96 ; 316.16,96.27 315.11,97.32 313.67,97.32 ; 316.16,96.27 316.16,115.85 ; 246.34,1.59 246.34,0.44 246.16,0.26 246.04,0.38 UW3.7 ; 246.34,1.59 246.34,19.37 ; 281.9,133.67 281.72,133.67 280,131.95 v1(280,131.9) 279.95,131.9 279.88,131.82 ; 281.9,133.67 281.9,144.23 281.19,144.95 ; C13.2 208.89,341.84 208.53,341.48 ; UM1.7 165.42,157.4 165.76,157.06 166.05,157.35 ; 248.97,284.77 248.97,276.8 249,276.77 ; 248.97,284.77 249.06,284.86 249.06,286.69 246.47,289.28 ; 248.97,284.77 248.85,284.88 248.68,284.88 248.49,284.69 UF3.9 ; 281.19,144.95 281.39,144.74 281.34,144.79 280.26,144.79 v1(280.24,144.77) 280.21,144.79 280.06,144.79 ; 246.62,80.61 246.34,80.33 245.99,80.69 US3.7 ; 246.62,80.61 246.62,61.41 246.48,61.55 ; 246.62,80.61 246.62,98.11 ; 279.22,42.73 279.29,42.66 278.99,42.36 UU4.7 ; 279.22,42.73 279.22,60.54 ; 279.22,42.73 279.22,17.44 ; 360.29,140.27 360.09,140.47 358.17,140.47 ; 166.13,173.71 UL1.7 ; 166.13,173.71 166.13,157.42 166.05,157.35 ; UL2.7 205.95,173.8 206.06,173.69 206.09,173.72 ; 279.36,278.45 279.36,276.79 UF4.7 ; 279.36,278.45 279.36,293.69 ; 279.36,278.45 279.36,269.22 280.8,267.78 281.34,267.78 ; 397.44,285.44 390.18,285.44 ; 397.44,285.44 397.49,285.39 397.49,273.13 ; 397.44,285.44 397.55,285.55 397.55,292.73 ; 206.06,223.91 205.64,223.49 UJ2.7 ; 206.06,223.91 206.06,206.93 ; 206.06,223.91 206.06,242.35 ; 281.34,267.78 279.31,265.75 UG4.9 ; 208.79,157.56 208.79,167.04 206.09,169.75 ; 208.79,157.56 208.38,157.15 UM2.8 ; 208.79,157.56 208.79,152.18 ; 360.13,173.57 360.13,186.32 ; 360.13,173.57 359.97,173.41 359.91,173.47 358.22,173.47 ; J2.99 80.65,-0.62 v1(80.76,-0.73) 80.86,-0.62 80.87,-0.62 80.88,-0.63 ; 394.57,140.32 395.54,141.29 396.2,141.29 396.74,141.82 ; 206.06,260.57 206.06,242.35 ; 206.06,260.57 UG2.7 ; 206.06,242.35 205.87,242.53 UH2.7 ; 360.78,258.13 360.78,257.59 360.68,257.49 358.43,257.49 ; 360.78,258.13 360.78,274.28 ; 360.78,258.13 360.78,240.35 ; 206.09,173.72 206.09,169.75 ; 206.09,173.72 206.09,189.14 ; 206.09,169.75 206.06,169.71 202.73,169.1 201.04,168.93 196.28,168.33 ; 208.79,152.18 208.79,131.14 v1(208.79,131.14) 208.79,131.13 208.79,120.02 208.89,119.92 208.89,117.38 209.13,117.14 v1(209.32,117.14) 209.32,116.95 209.38,116.89 209.38,109.59 208.21,108.42 208.6,108.03 208.6,102.55 ; 208.79,152.18 208.5,151.89 201.95,151.76 ; 166.05,339.79 166,339.74 ; 166.05,339.79 166.21,339.79 ; 166.05,339.79 166.05,331.41 165.97,331.48 ; 279.36,293.69 277.13,293.69 UE4.7 ; 279.36,293.69 279.28,293.77 279.28,312.63 ; 165.89,17.56 165.89,35.97 166.15,36.24 ; 165.89,17.56 165.89,13.78 168.3,11.37 168.3,-3.99 ; 166,314.9 165.68,314.58 C43.2 165.68,296.07 ; 166,314.9 165.71,315.19 UD1.7 ; 166,314.9 166,326.66 166.06,326.72 ; 246.35,192.39 246.38,192.36 240.08,192.82 239.08,192.79 C68.1 ; 246.35,192.39 246.35,173.63 246.29,173.57 246.06,173.81 UL3.7 ; 246.35,192.39 246.35,223.25 ; 281.9,94.77 281.9,84.4 281.16,83.66 281.02,78.51 279.38,75.49 278.35,74.05 278.35,70.35 279.22,69.47 279.22,60.54 ; 281.9,94.77 281.9,94.55 281.31,93.96 272.73,93.96 272.49,93.72 C39.1 271.21,92.01 271.16,91.97 ; 281.9,94.77 281.9,110.81 ; 206.09,189.14 206.09,206.9 206.06,206.93 ; 165.93,242.56 165.89,242.52 165.77,242.65 UH1.7 ; 165.93,242.56 165.93,223.57 ; 394.62,173.42 396.55,173.42 396.74,173.23 ; 166.05,157.35 166.66,156.75 166.66,153.01 166.78,153.01 168.53,151.25 168.41,151.14 v1(168.41,148.84) 168.26,143.23 167.75,141.13 167.79,140 166.58,138.01 166.27,116.52 166.27,115.74 166.07,115.55 ; 317.98,140.52 318.05,140.59 317.98,140.66 317.98,147.25 318.94,148.21 318.94,156.49 317.32,156.49 315.88,157.94 ; 317.98,140.52 317.98,137.91 318.18,137.7 316.16,135.67 316.16,115.85 ; 317.98,140.52 316.56,140.52 ; UV4.7 278.56,18.1 279.22,17.44 ; 360.93,346.11 359.99,345.17 358.77,345.17 ; 360.93,346.11 v1(360.85,358.68) 360.93,358.72 360.89,358.76 ; 360.93,346.11 360.93,328.95 ; 166.06,326.72 166.21,326.58 170.01,326.58 v1(170.14,326.71) 170.28,326.58 170.33,326.58 170.45,326.7 ; 166.06,326.72 165.97,326.81 165.97,331.48 ; 208.53,341.48 208.53,330.57 208.72,330.38 ; 397.49,273.13 397.49,256.88 ; 397.49,273.13 396.78,273.84 395.32,273.84 ; 397.49,256.88 396.85,256.93 395.22,257.24 ; 249.06,322.84 248.92,322.71 UD3.9 ; 249.06,322.84 249.06,315.13 ; 249.06,322.84 249.06,332 ; 431.76,355.82 433.67,355.82 433.75,355.74 433.75,341.51 433.6,341.37 ; 431.76,355.82 431.43,355.99 429.22,355.99 ; 431.76,355.82 v1(431.67,356.93) 431.73,356.98 ; 433.67,293.14 433.67,273.81 ; 433.67,293.14 433.45,292.92 432.02,292.92 ; 433.67,273.81 433.67,257.45 ; 433.67,273.81 433.45,273.6 433.38,273.67 431.57,273.67 ; UB4.9 279.46,353.57 281.37,353.57 ; 166.21,339.79 166.29,345.43 166.17,348.53 ; 166.21,339.79 CR3.2 ; 282.03,240.35 282.03,235.23 281.78,234.98 280.44,233.06 279.59,230.84 278.89,229.14 278.87,227.45 278.87,198.66 278.43,198.21 v1(278.43,198.18) 278.4,198.18 278.39,198.17 278.39,181.42 278.85,180.96 ; 282.03,240.35 282.03,246.92 ; 282.03,240.35 282.03,239.94 282.01,239.91 281.92,239.99 UH4.8 ; 154.36,255.36 154.49,255.49 v1(154.53,255.49) 154.53,255.53 154.59,255.59 ; 360.78,223.17 360.78,240.35 ; 360.78,223.17 360.35,222.75 359.94,223.17 358.42,223.17 ; 166.17,348.53 165.95,348.31 163.02,348.31 ; 166.17,348.53 166.17,349.12 166.68,349.63 166.68,359.36 167.31,359.99 168.08,359.99 v1(168.12,360.04) 168.16,359.99 168.59,359.99 168.67,359.91 168.67,359.53 169.16,359.04 C16.2 174.74,358.51 174.66,358.47 ; 396.74,120.04 396.5,119.81 391.21,119.81 391.06,119.95 390.16,121 389.39,122.46 ; 396.74,120.04 396.74,141.82 ; UR4.12 271.84,106.6 272.2,108.09 273.2,109.09 281.75,109.09 281.9,109.24 281.9,110.81 ; 318.56,312.16 318.38,312.34 316.44,312.34 ; 318.56,312.16 318.18,311.78 318.18,309.2 316.5,307.52 316.5,293.12 ; 318.56,312.16 318.63,312.23 318.63,322.81 316.05,325.38 316.05,328.27 315.81,328.51 ; UH3.7 246.16,242.49 246.35,242.3 ; 208.24,313.97 209.09,313.12 209.09,307.79 205.96,304.66 205.96,295.8 ; 208.24,313.97 208.58,313.97 208.6,313.95 208.86,314.21 208.86,322.16 210.16,323.46 210.16,329.23 209.87,329.23 208.72,330.38 ; 208.24,313.97 UD2.7 ; 433.6,341.37 433.62,341.35 433.62,327.58 ; 433.6,341.37 429.13,341.37 ; UC3.11 237.19,341.95 237.33,342.65 249.2,342.68 249.23,342.71 ; 246.47,260.39 246.47,242.42 246.35,242.3 ; 246.47,260.39 246.35,260.28 246.25,260.38 UG3.7 ; 246.47,260.39 246.47,272.58 246.67,272.58 249,274.91 249,276.77 ; 208.8,-8.4 208.8,-8.32 v1(208.79,-8.31) 208.8,-8.29 208.8,12.01 208.96,12.17 208.91,12.23 206.74,12.23 ; 397.55,312.07 397.55,328.21 ; 397.55,312.07 397.55,292.73 ; UU3.7 246.11,42.46 246.34,42.23 ; 205.96,295.8 205.57,296.19 UE2.7 ; 205.89,80.95 205.89,80.8 206.5,80.19 206.5,61.95 ; 205.89,80.95 205.89,83.46 208.92,86.49 208.92,87.5 208.6,87.82 208.6,102.55 ; 205.89,80.95 205.86,80.91 205.84,80.94 US2.7 ; 397.55,344.88 397.55,328.21 ; 397.55,344.88 397.55,358.05 v1(397.61,358.11) 397.55,358.17 397.55,358.2 ; 397.55,344.88 397.51,344.92 395.72,344.92 ; 397.55,328.21 397.52,328.18 397.18,328.52 395.62,328.52 ; 279.28,312.63 279.36,312.7 279.36,328.35 278.71,329.01 ; 345.42,80.67 345.69,79.3 345.83,78.67 346.04,78.2 346.17,77.39 346.51,76.27 347.06,75.72 360.35,75.72 360.35,80.7 360.29,80.77 ; 429.22,355.99 429.14,356.07 427.61,356.07 427.23,355.07 426.64,354.02 426.92,353.25 426.92,352.44 ; 429.22,355.99 429.22,356.98 v1(429.17,357.04) 429.22,357.09 ; 431.47,257.12 433.34,257.12 433.67,257.45 ; 435.02,141.64 434.48,141.09 434.34,137.12 432.47,133.61 431.74,131.65 429.18,128.24 C8.1 ; 435.02,141.64 434.86,141.81 434.86,156.42 434.64,156.63 435.02,157.01 435.02,162.26 435.66,162.91 435.66,165.74 434.05,167.36 434.05,169.38 v1(434.08,169.42) 434.05,169.46 434.05,170.51 430.03,174.53 430.03,180.27 431.05,181.29 431.05,184.74 432.05,185.74 432.05,185.87 v1(432.02,185.9) 432.05,185.93 432.05,190.86 432.86,191.67 432.86,200.64 433.18,200.97 433.18,209.29 ; 435.02,141.64 430.57,141.64 ; UR3.7 244.38,97.17 246.01,97.17 246.62,97.78 246.62,98.11 ; 360.93,328.95 360.48,328.5 360.46,328.52 358.57,328.52 ; 360.93,328.95 360.93,325.37 ; 397.55,292.73 397.43,292.62 396.93,293.12 395.32,293.12 ; 246.35,242.3 246.35,223.25 ; 246.35,223.25 246.29,223.19 246.07,223.42 UJ3.7 ; 316.16,115.85 315.57,115.27 313.97,115.27 ; 316.16,345.34 316.16,358.26 v1(316.19,358.3) 316.16,358.33 316.16,358.43 ; 316.16,345.34 316.16,340.4 ; 316.16,345.34 315.98,345.17 314.22,345.17 ; 206.5,18.92 206.32,18.74 UV2.7 ; 206.5,18.92 206.5,42.18 ; 206.5,18.92 206.74,18.68 206.74,12.23 ; 316.38,173.92 317.93,173.92 318.42,173.43 ; 426.59,100.88 428.41,99.06 428.41,93.86 428,93.45 428,85.49 ; 316.5,252.89 315.09,252.89 v1(315.02,252.83) 314.92,252.72 ; 316.5,252.89 316.5,258.19 ; 208.6,102.55 207.82,102.55 v1(207.37,102.35) 207.16,102.23 ; 249.06,315.13 249.01,315.09 UD3.8 ; 249.06,315.13 249.06,311.24 248.13,310.31 248.13,308.21 247.19,307.28 247.19,305.91 246.96,305.68 246.96,304.23 246.47,303.73 246.47,295.88 ; 282.06,-3.49 282.06,9.99 279.82,12.23 279.82,16.84 279.22,17.44 ; 282.06,-3.49 282.06,-8.19 281.83,-8.42 v1(281.83,-8.5) 281.75,-8.5 281.6,-8.65 ; 282.06,-3.49 282.06,-4.8 279.66,-4.94 279.03,-4.93 276.88,-4.89 276.26,-4.79 275.27,-4.57 274.1,-3.71 273.92,-3.5 273.69,-3.33 273.1,-2.57 273.01,1.53 272.86,2.21 272.64,3.25 272.42,3.84 272.18,5.05 272,5.66 271.93,6.15 271.91,6.62 271.87,7.74 ; 206.06,206.93 205.9,206.77 UK2.7 ; 360.78,240.35 360.78,239.66 360.67,239.56 360.45,239.79 358.42,239.79 ; UM2.15 191.52,165.26 191.75,167.37 192.27,168.05 192.73,168.31 192.75,168.33 196.28,168.33 ; US4.12 271.14,88.65 271.16,91.97 ; 396.74,74.26 396.74,70.28 396.76,70.25 ; 396.74,74.26 396.59,74.12 396.37,74.34 390.01,74.34 389.09,70.48 ; 271.16,91.97 271.17,93.73 ; 399.47,222.7 399.47,215.08 399.53,215.02 397.08,212.58 397.08,206.18 397.03,206.24 ; 399.47,222.7 399.41,222.64 398.96,223.09 397.56,223.09 ; 316.5,258.19 315.71,257.4 315.61,257.49 314.07,257.49 ; 316.5,258.19 316.5,273.78 ; 246.48,61.55 246.48,42.37 246.34,42.23 ; 246.48,61.55 UT3.7 ; 246.53,357.37 v1(246.47,357.31) 246.53,357.01 248.88,354.65 248.88,347.24 249.23,346.89 ; 360.93,325.37 359.11,325.11 348.56,325.2 347.03,324.69 ; 279.22,60.54 278.76,60.08 278.42,60.42 C18.1 ; 315.81,328.51 315.75,328.57 314.02,328.57 ; 315.81,328.51 316.16,328.85 316.16,340.4 ; 249.23,342.71 249.23,346.89 ; 249.23,342.71 249.06,332 ; 246.34,141.29 246.35,141.29 ; 246.34,141.29 246.34,131.02 v1(246.29,130.97) 246.34,130.91 246.34,129.6 246.62,129.32 246.62,115.89 ; 360.29,80.77 360.29,92.84 ; 360.29,80.77 360.18,80.66 360.18,80.67 358.12,80.67 ; 208.72,330.38 UC2.8 ; 281.37,353.57 281.37,357.86 280.59,358.63 v1(280.16,358.68) 280.21,358.63 ; 278.85,180.96 276.98,180.96 UL4.7 ; 246.35,141.29 246.32,157.95 ; 246.35,141.29 246.35,175.09 ; 246.34,42.23 246.34,19.37 ; 246.34,19.37 246.34,18.28 245.98,17.91 245.73,18.16 UV3.7 ; 236.48,284.78 236.48,277.16 ; 397.03,206.24 394.92,206.24 ; 360.78,274.28 360.78,292.63 ; 360.78,274.28 360.57,274.07 358.52,274.07 ; 278.71,329.01 UC4.7 ; 165.68,296.07 165.95,295.8 165.95,276.77 ; 206.74,12.23 200.4,12.23 199.72,11.29 199.16,10.42 198.97,9.76 UW2.12 ; 360.29,92.84 359.2,92.53 354.1,92.62 346.8,92.74 346.34,93.35 346.2,93.77 345.47,95.89 ; 165.97,331.48 165.82,331.64 UC1.7 ; 200.58,151.4 200.54,151.37 ; 200.54,151.37 199.21,150.33 199.12,148.55 UN2.12 ; 200.54,151.37 201.23,151.53 202.28,151.77 ; 318.42,173.43 317.05,172.06 317.05,168.04 316.23,167.21 316.23,161.1 315.88,160.75 315.88,157.94 ; UW1.12 158.33,6.67 158.45,6.09 158.63,5.08 159.04,4.36 159.32,3.31 159.45,2.81 159.48,-1.35 159.73,-2.12 159.97,-2.55 160.47,-2.85 161.23,-3.25 162.83,-3.7 164.02,-3.99 168.3,-3.99 ; UE3.7 246.31,296.04 246.47,295.88 ; 246.47,295.88 246.47,289.28 ; 246.47,289.28 246.26,289.07 239.43,289.07 238.35,288.49 237.33,288.08 C26.2 236.48,284.79 UF3.13 UF3.4 ; 316.5,293.12 316.2,293.42 313.87,293.42 ; 316.5,293.12 316.47,293.09 ; 316.5,293.12 316.5,273.78 ; 166.15,62.11 165.6,61.56 165.32,61.84 UT1.7 ; 166.15,62.11 166.15,42.84 ; UU2.7 205.85,42.58 206.37,42.05 206.5,42.18 ; 394.57,156.79 396.38,156.79 396.74,157.15 ; 206.5,61.95 206.07,61.51 205.84,61.74 UT2.7 ; 206.5,61.95 206.5,42.18 ; 360.78,292.63 360.24,293.17 358.52,293.17 ; UP1.7 165.77,115.24 166.07,115.55 ; 168.3,-3.99 168.33,-4.03 ; 168.3,-3.99 168.52,-4.22 v1(168.41,-8.23) 168.52,-8.31 ; 166.15,42.84 165.39,42.07 164.63,42.83 UU1.7 ; 166.15,42.84 166.15,36.24 ; 183.36,356.43 183.28,356.51 v1(183.28,356.6) 183.19,356.6 183.11,356.68 181.75,356.68 180.31,357.23 178.78,357.7 174.74,358.42 ; 433.18,209.29 422.62,208.94 422.59,208.97 421.89,207.84 421.16,206.34 ; 433.18,209.29 433.02,218.7 433.67,257.45 ; 196.28,168.33 195.89,168.28 ; 166.15,36.24 166.03,36.12 164.79,36.12 v1(164.7,35.88) 164.7,36.02 ; 165.95,276.77 165.95,260.21 ; 165.95,260.21 165.91,260.16 165.7,260.38 UG1.7 ; 246.62,98.11 246.62,115.89 ; 165.93,223.57 165.93,223.4 165.94,223.39 UJ1.7 ; 165.93,223.57 165.93,207.25 ; 431.87,311.97 433.38,311.97 433.48,311.87 433.62,312 ; 433.62,312 433.62,327.58 ; 360.13,186.32 360.26,186.19 361.54,186.19 361.66,186.32 v1(361.66,186.38) 361.73,186.38 ; 166.07,115.55 166.07,109.94 ; 166.07,109.94 166.07,109.82 165.72,109.47 160.23,109.47 159.49,108.3 UR1.12 ; 431.42,328.62 432.58,328.62 433.62,327.58 ; UK1.7 165.51,207.04 165.68,206.86 165.93,207.1 165.93,207.25 ; 396.74,173.23 396.74,157.15 ; 428,85.49 427.5,84.99 ; 315.88,157.94 315.16,157.22 313.77,157.22 ; 314.95,340.43 v1(315.09,340.43) 316.05,340.43 316.12,340.36 316.16,340.4 ; 396.74,141.82 396.74,157.15 ; 246.62,115.89 246.62,114.97 246.29,114.65 244.85,114.65 UP3.7 ; 249.06,332 UC3.7 ; 246.32,157.17 246.25,157.24 UM3.7